# Altium PCB CherryPi.PcbDoc (part 1 of 2)
Units mil, origin at the board's own origin, x right, y up, seen from the top; angles counter-clockwise.
Board outline 3346.46 x 2204.72 mil, 4 copper layers (Top Layer, Mid-Layer 1, Mid-Layer 2, Bottom Layer), stack 49 mil thick; 110 components, 145 nets, 563 pads, 296 vias.
Unrouted connection lines stored in the file: 50.
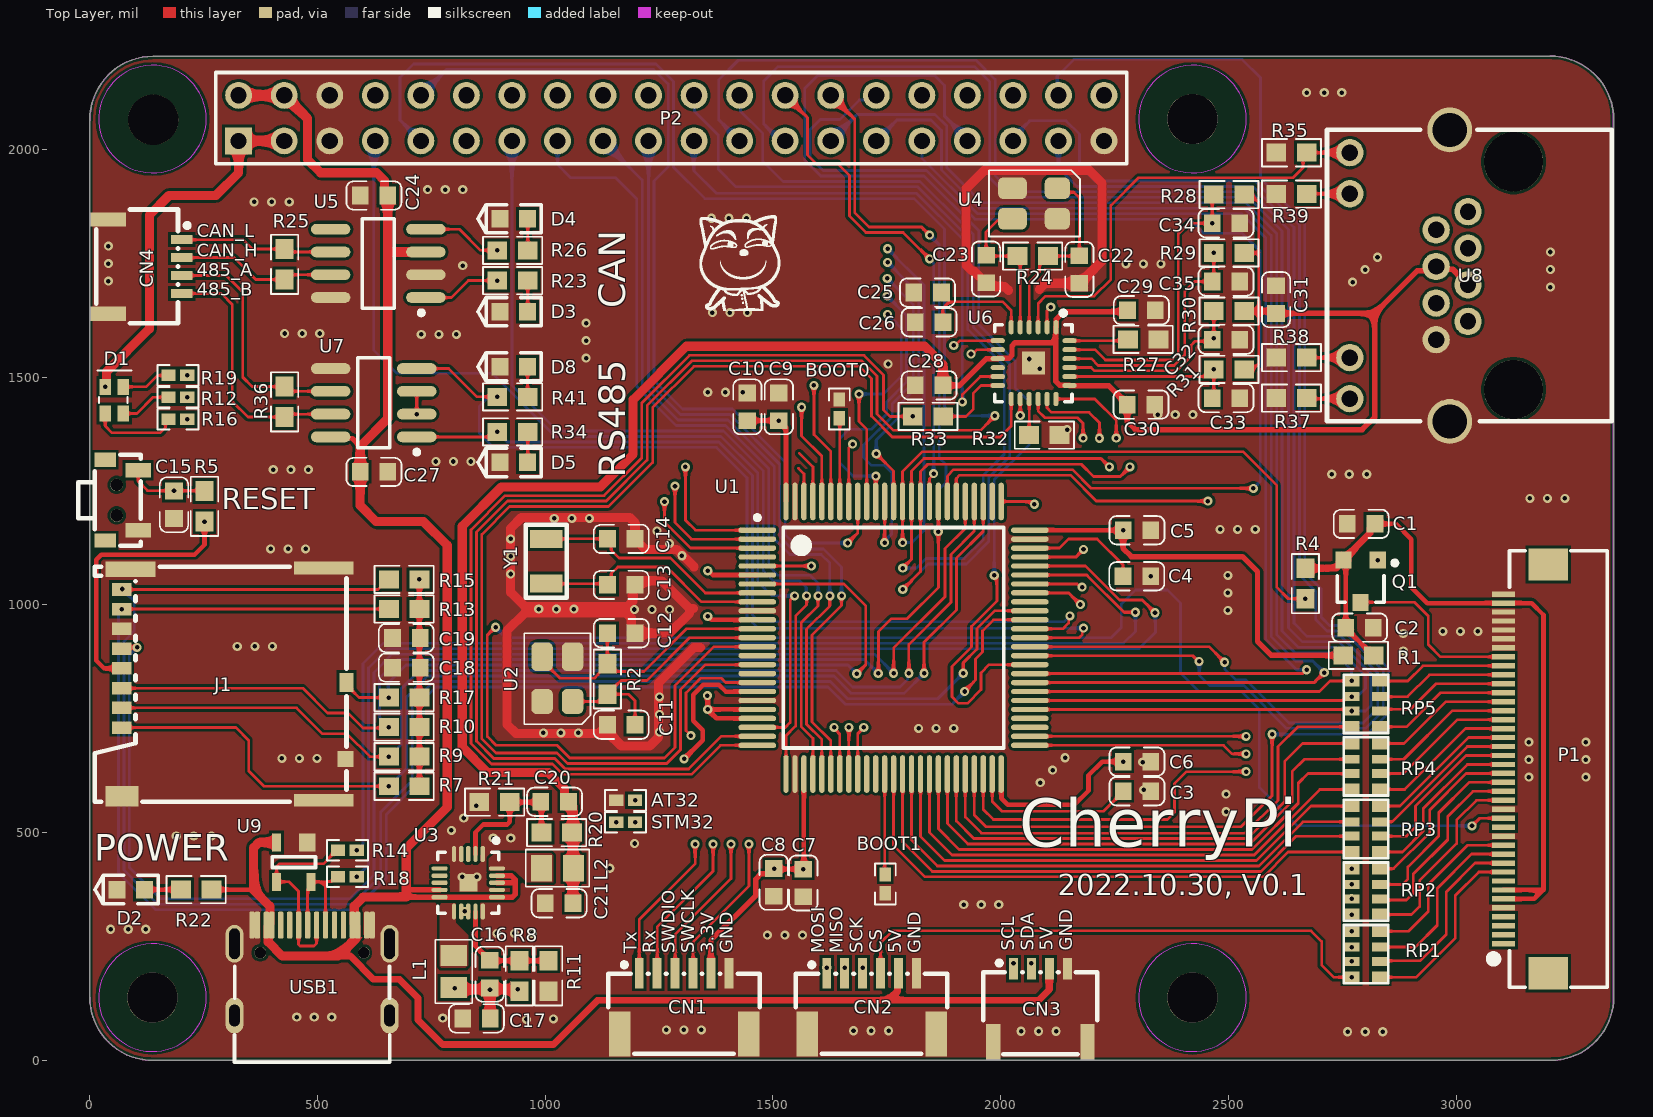
[diagram p0: Top Layer view]
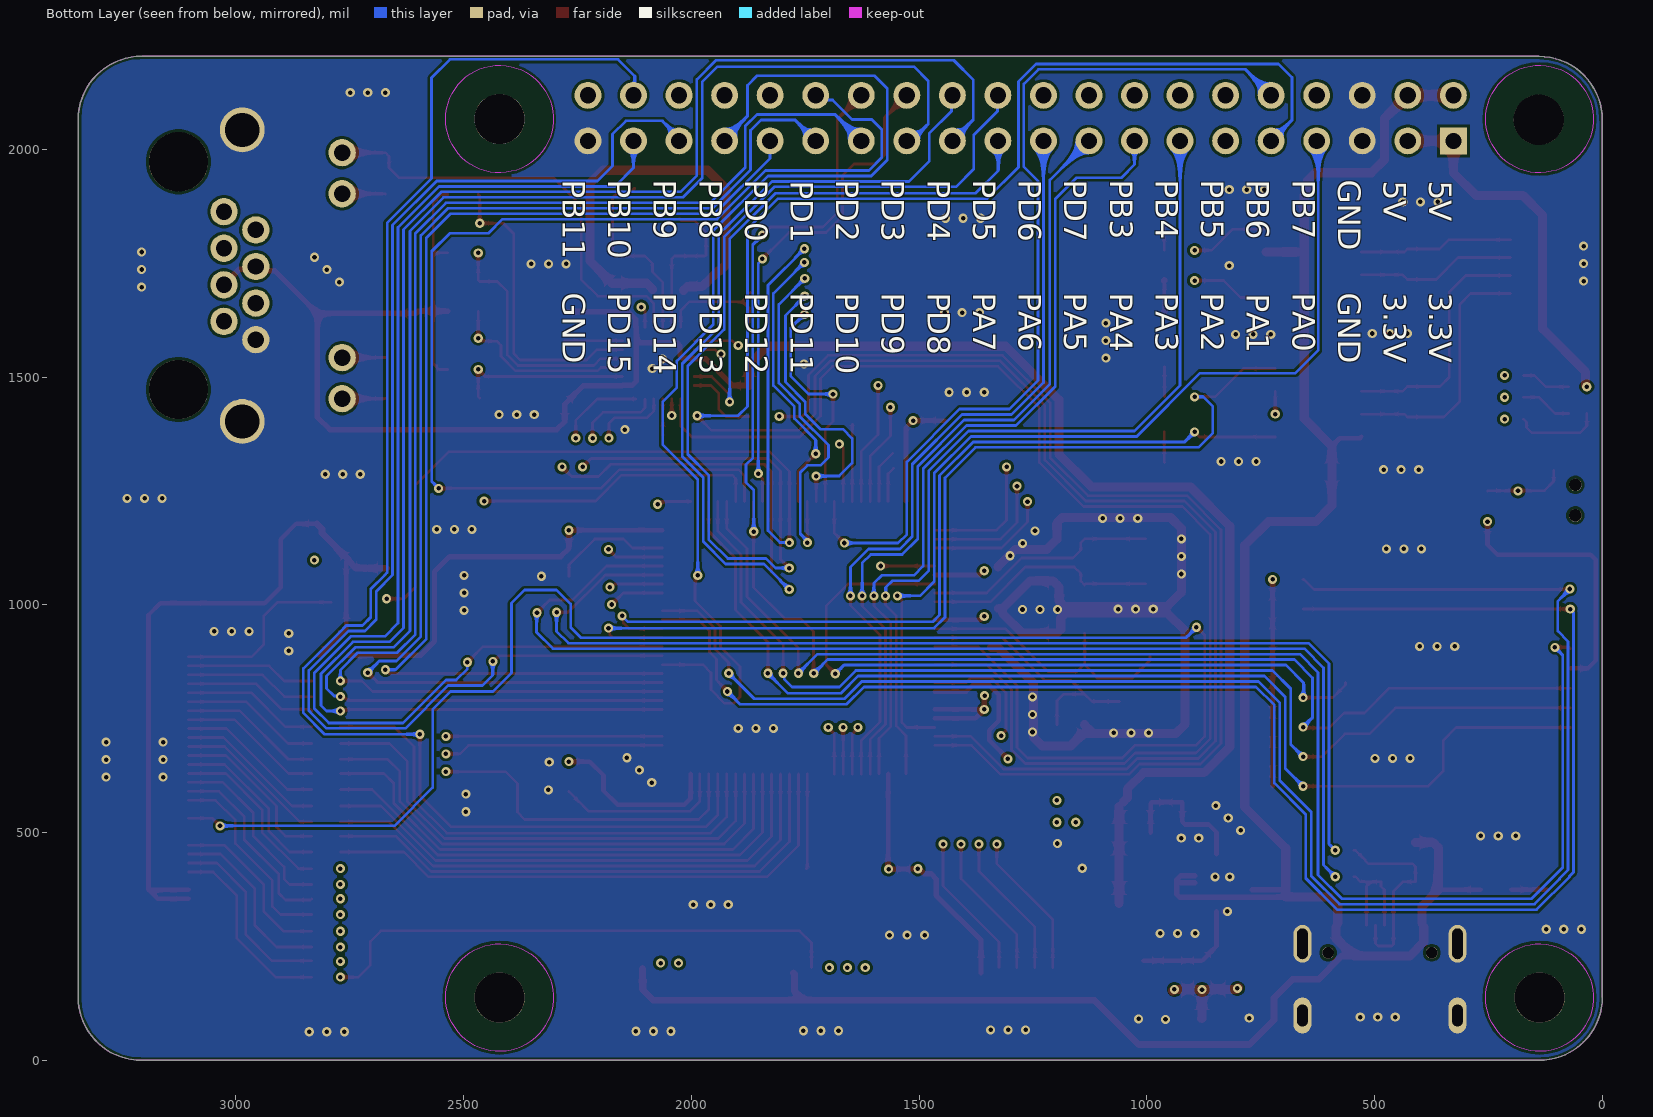
[diagram p1: Bottom Layer view, seen from below]
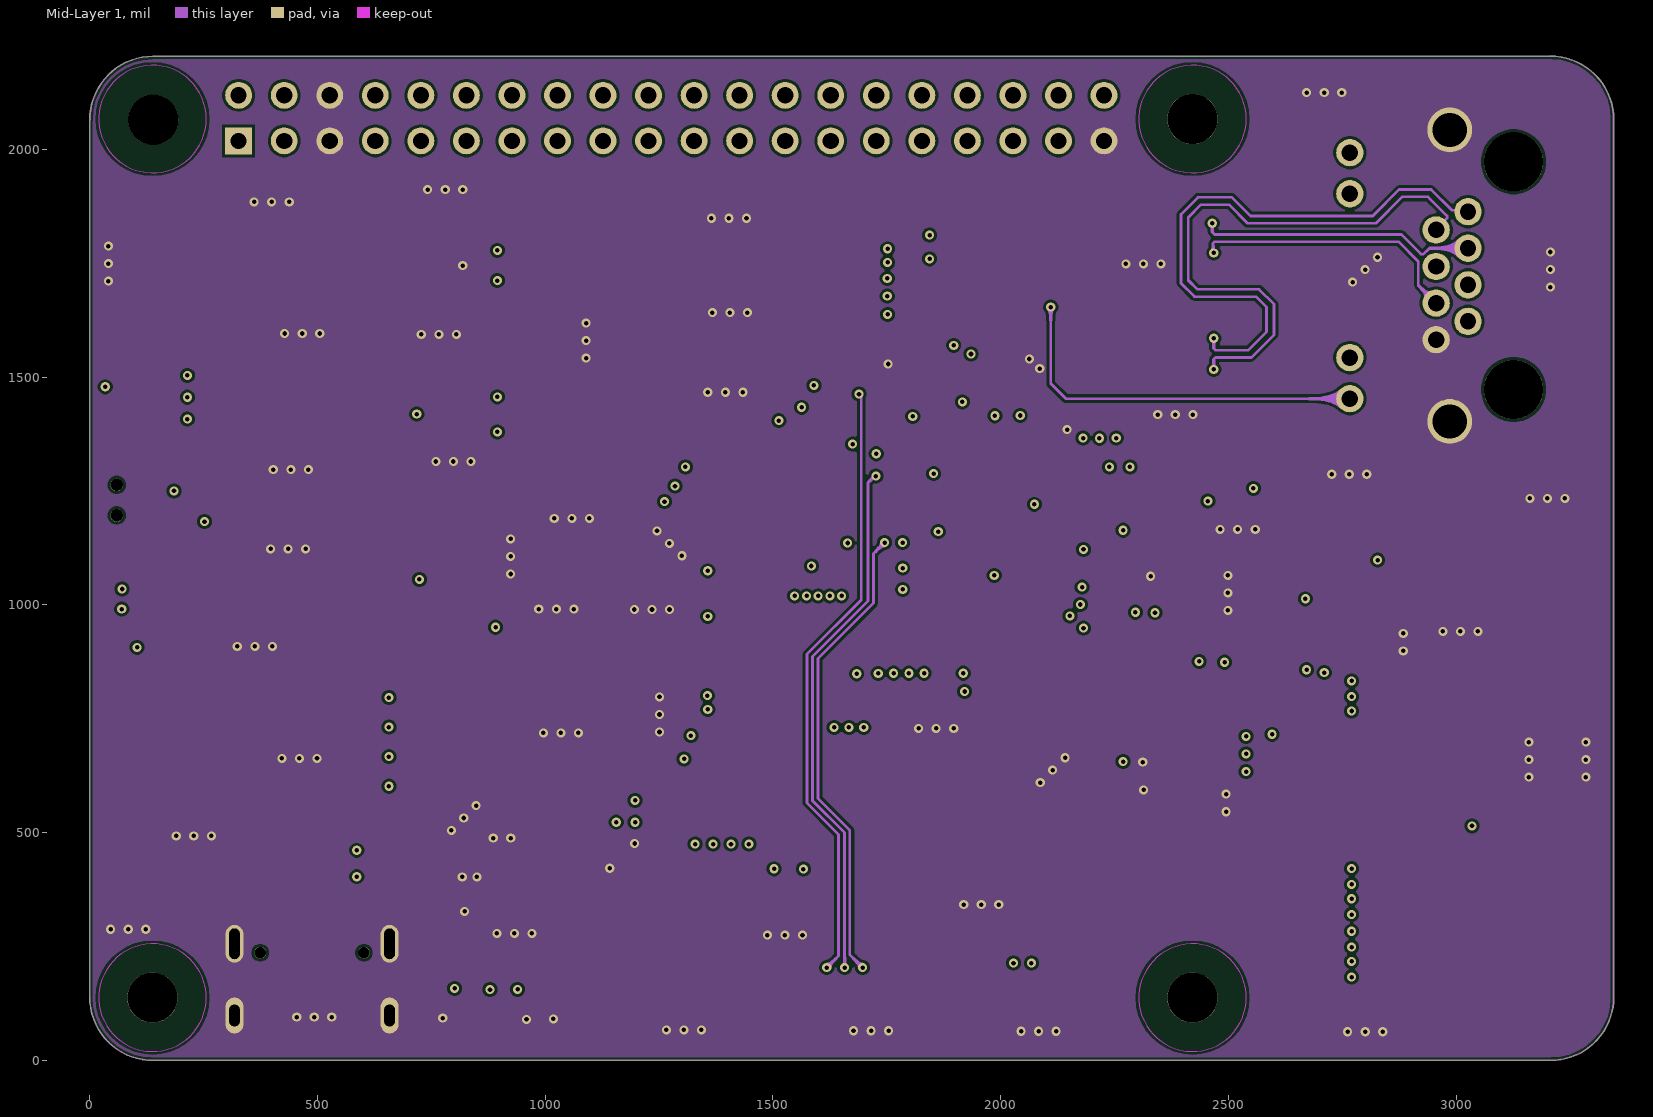
[diagram p2: Mid-Layer 1]
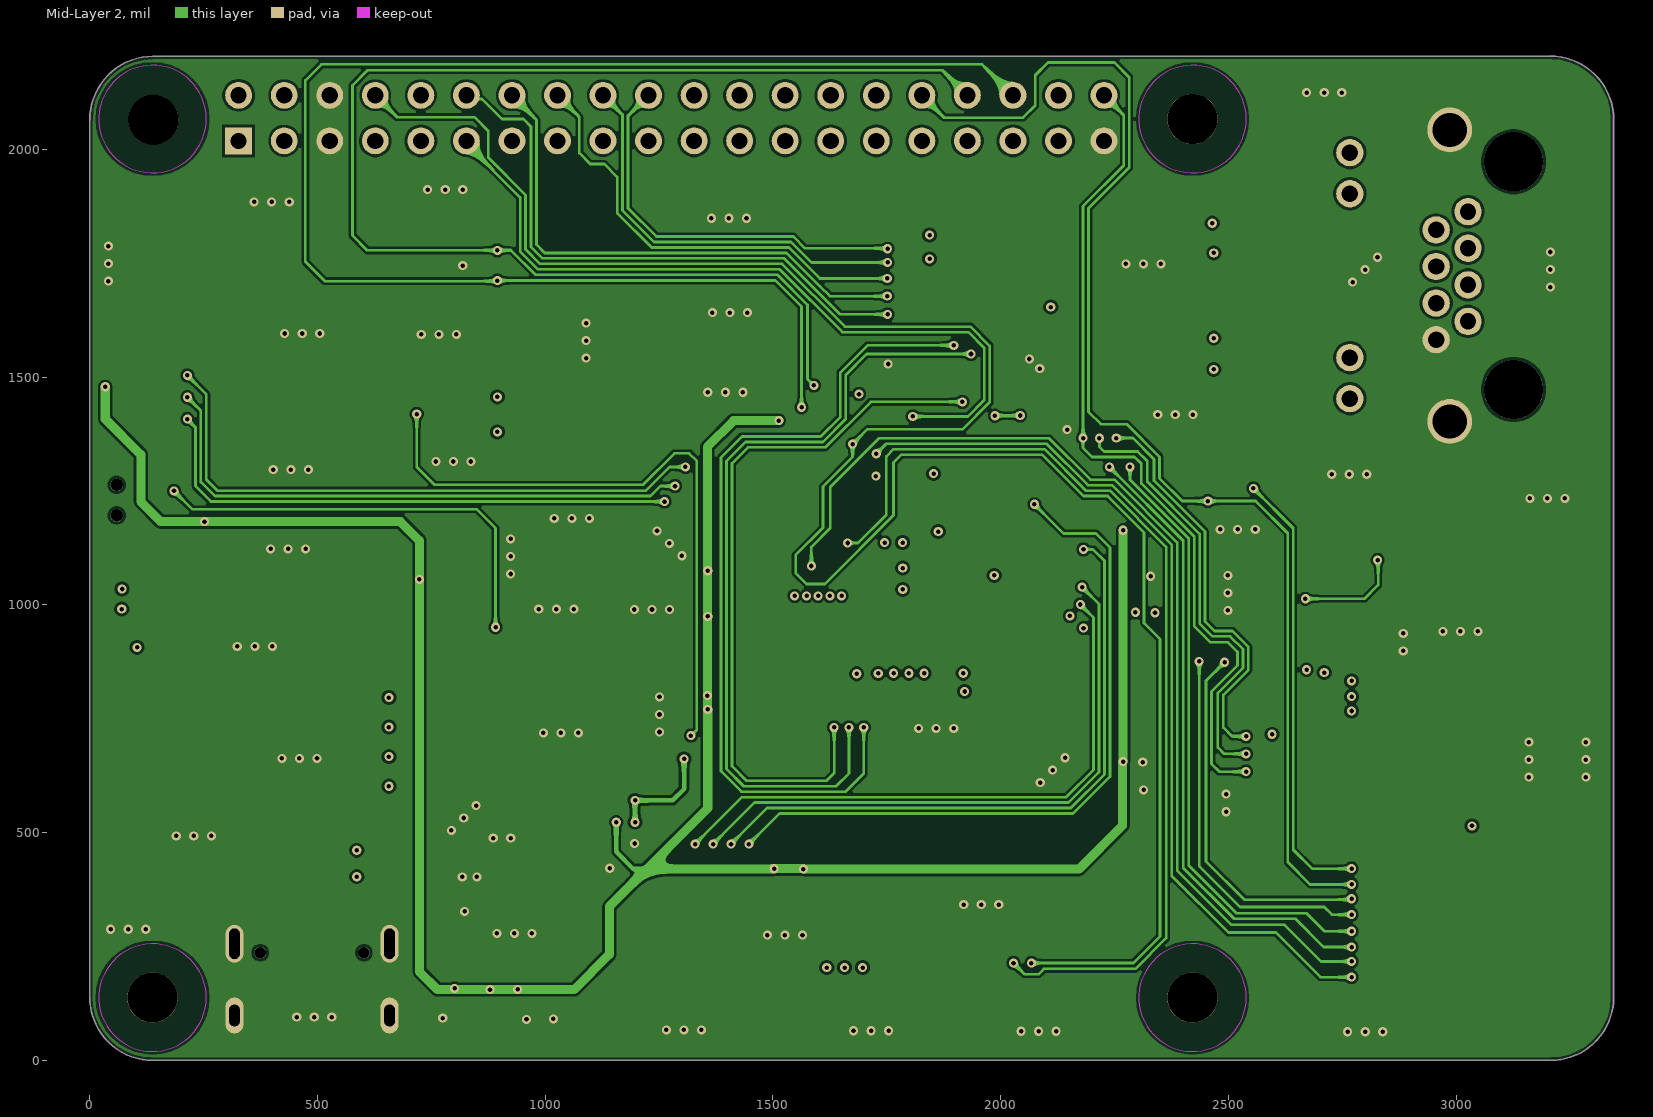
[diagram p3: Mid-Layer 2]
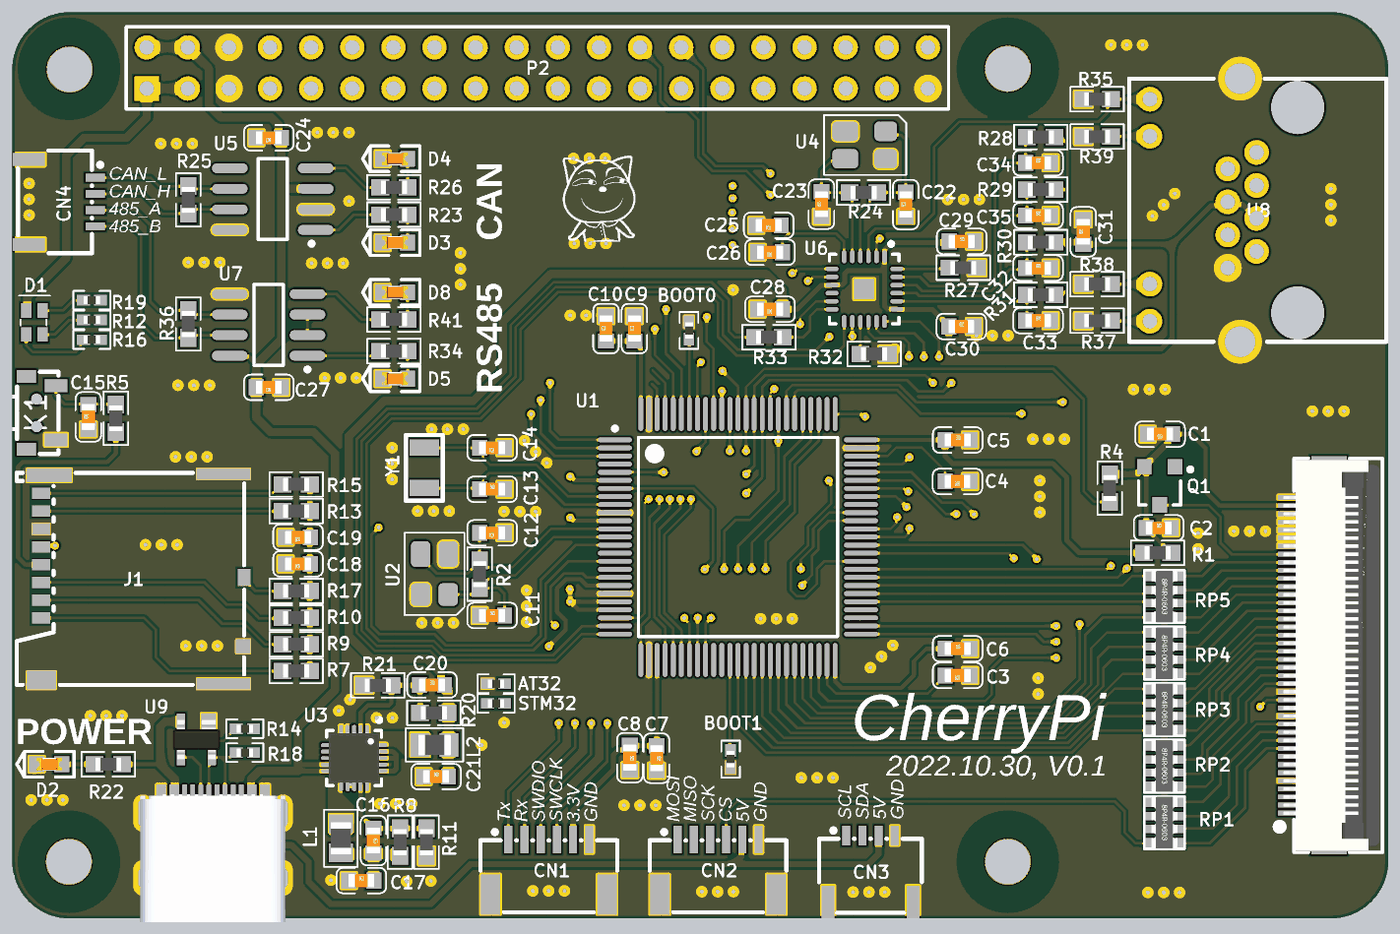
[diagram p5: 3D render of the assembled board from above, using the file's embedded part models]

## Layer stack, top to bottom
Top Solder: solder mask 0.4, Solder Resist, Dk 3.5
Top Layer: signal copper 1.4
Dielectric 1: dielectric 12.6, FR-4, Dk 4.8
Dielectric 2: prepreg 2.8, PP-006, Dk 4.1
Mid-Layer 1: signal copper 1.4
Dielectric2: dielectric 12.6, FR-4, Dk 4.8
Mid-Layer 2: signal copper 1.4
Dielectric 3: prepreg 2.8, PP-006, Dk 4.1
Dielectric3: dielectric 12.6, FR-4, Dk 4.8
Bottom Layer: signal copper 1.4
Bottom Solder: solder mask 0.4, Solder Resist, Dk 3.5

## Board outline
0,139 0,2064.72 cw(c139.5,2065.22) 139,2204.72 3206.46,2204.72 cw(c3206.96,2065.22) 3346.46,2065.72 3346.46,140 cw(c3206.96,139.5) 3207.46,0 140,0 cw(c139.5,139.5)

## Design rules (kind name [scope] priority, off if disabled: settings)
Clearance [All] p1: gap=6 ignorepadtopadclearanceinfootprint=TRUE
DiffPairsRouting [All] p1: maxlimit=10 minlimit=10 mostfreqgap=10 toplayer_minwidth=6 toplayer_maxwidth=15 toplayer_prefwidth=15 midlayer1_minwidth=6 midlayer1_maxwidth=15 midlayer1_prefwidth=15 midlayer2_minwidth=6 midlayer2_maxwidth=15 midlayer2_prefwidth=15 bottomlayer_minwidth=6 bottomlayer_maxwidth=15 bottomlayer_prefwidth=15 maxuncoupledlength=500
PlaneConnect [All] p1: planeconnectstyle=Direct reliefexpansion=20 reliefentries=4 reliefconductorwidth=10 reliefairgap=10
PolygonConnect [All] p1: connectstyle=Direct reliefconductorwidth=10 reliefentries=4 polygonreliefangle="90 Angle" airgapwidth=10
RoutingVias [All] p1: holewidth=28 width=50 viastyle="Through Hole" minholewidth=28 minwidth=50 maxholewidth=28 maxwidth=50
SolderMaskExpansion [All] p1: expansion=4 istentingtop=FALSE
Width [All] p1: maxlimit=30 minlimit=6 preferedwidth=6
28 further rules are at their usual default settings.

## Components (designator, comment, footprint, x,y, rotation, side; value= is the part's Value field where it differs from the comment)
AT32 "Res1" "0402_R - M" 1176.67,571 r180 top value=0R
BOOT0 "Res1" "0402_R - M" 1646,1430.46 r270 top value=10K
BOOT1 "Res1" "0402_R - M" 1747,387.54 r90 top value=10K
C1 "Cap" 0603_C 2791.69,1178 r180 top value=100nF
C2 "Cap" 0603_C 2788.19,950.13 r0 top value=100nF
C3 "Cap" 0603_C 2299.32,591 r180 top value=10uF
C4 "Cap" 0603_C 2299,1063 r180 top value=10uF
C5 "Cap" 0603_C 2299.32,1164 r0 top value=100nF
C6 "Cap" 0603_C 2299.32,656 r0 top value=100nF
C7 "Cap" 0603_C 1567,389.69 r270 top value=100nF
C8 "Cap" 0603_C 1502,391 r270 top value=100nF
C9 "Cap" 0603_C 1513,1435.03 r90 top value=100nF
C10 "Cap" 0603_C 1444,1435.03 r90 top
C11 "Cap" 0603_C 1167,737 r0 top value=22pF
C12 "Cap" 0603_C 1167,938 r180 top value=22pF
C13 "Cap" 0603_C 1167,1044 r0 top value=10pF
C14 "Cap" 0603_C 1167,1145 r180 top value=10pF
C15 "Cap" 0603_C 185,1220 r90 top value=100nF
C16 "Cap" 0603_C 878.31,189.31 r270 top value=220pF
C17 "Cap" 0603_C 849,92 r0 top value=10uF
C18 "Cap" 0603_C 695.03,862.52 r180 top value=100nF
C19 "Cap" 0603_C 695.03,927.38 r180 top value=100nF
C20 "Cap" 0603_C 1020.73,568 r0 top value=220pF
C21 "Cap" 0603_C 1030.69,345 r0 top value=10uF
C22 "Cap" 0603_C 2173,1736.68 r90 top value=22pF
C23 "Cap" 0603_C 1968,1737.68 r90 top value=22pF
C24 "Cap" 0603_C 624,1899 r180 top value=100nF
C25 "Cap" 0603_C 1839.69,1686 r180 top value=100nF
C26 "Cap" 0603_C 1843,1620.65 r180 top value=10uF
C27 "Cap" 0603_C 624,1292 r180 top value=100nF
C28 "Cap" 0603_C 1843,1482 r180 top value=100nF
C29 "Cap" 0603_C 2309,1647 r0 top value=100nF
C30 "Cap" 0603_C 2308.31,1440 r0 top value=100nF
C31 "Cap" 0603_C 2604.69,1670.31 r90 top value=100nF
C32 "Cap" 0603_C 2494.92,1582.21 r0 top value=10pF
C33 "Cap" 0603_C 2494.92,1454.25 r0 top value=10pF
C34 "Cap" 0603_C 2494.92,1838.12 r0 top value=10pF
C35 "Cap" 0603_C 2494.92,1710.17 r0 top value=10pF
CN1 "WAFER-SH1.0-6PWB" SH1.0_6P 1305,124.93 r0 top
CN2 "WAFER-SH1.0-6PWB" SH1.0_6P 1716.64,124.93 r0 top
CN3 "HDGC1002WR-S-4P" SH1.0_4P 2087.35,120.99 r0 top
CN4 "HDGC1002WR-S-4P" SH1.0_4P 121,1743 r270 top
D1 "LED_GRB" LED_RGB 51.72,1450 r270 top
D2 "LED0" led-0603 90,375 r0 top
D3 "LED0" led-0603 931,1644 r0 top
D4 "LED0" led-0603 931,1848 r0 top
D5 "LED0" led-0603 931,1313 r0 top
D8 "LED0" led-0603 931,1523 r0 top
J1 "SDCARD-M" TF-SMD_503398-1892 317,826 r90 top
L1 "Inductor" 0805_L 799.31,195 r270 top value=1.5uH
L2 "Inductor" 0805_L 1027,422 r0 top value=1.5uH
P1 "Header 40" "FPC0.5 2H-WS-40P" 3202.31,639.95 r90 top
P2 "Header 20X2" HDR20X2_2.54 327,2019 r0 top
Q1 "MOSFET-P" SOT-23 2790.5,1052.13 r180 top
R1 "Res1" 0603_R 2785.54,889.31 r180 top value=0R
R2 "Res1" 0603_R 1136.57,837.46 r90 top value=1M
R4 "Res1" 0603_R 2669,1047 r270 top value=10K
R5 "Res1" 0603_R 252,1216.54 r90 top value=10K
R7 "Res1" 0603_R 690.46,601.97 r180 top value=47K
R8 "Res1" 0603_R 943.31,185.54 r270 top value=68K
R9 "Res1" 0603_R 690.46,666.83 r180 top value=47K
R10 "Res1" 0603_R 690.46,731.69 r180 top value=47K
R11 "Res1" 0603_R 1007.31,185.54 r90 top value=15K
R12 "Res1" "0402_R - M" 193.67,1456 r180 top value=1.5K
R13 "Res1" 0603_R 690.46,991.14 r180 top value=47K
R14 "" "0402_R - M" 565.67,461.32 r0 top value=22R
R15 "Res1" 0603_R 690.46,1056 r180 top value=47K
R16 "Res1" "0402_R - M" 193.67,1408 r180 top value=1.5K
R17 "Res1" 0603_R 690.46,796.55 r180 top value=10K
R18 "" "0402_R - M" 565.67,403.31 r0 top value=22R
R19 "Res1" "0402_R - M" 193.67,1504 r180 top value=1.5K
R20 "Res1" 0603_R 1025.3,500 r0 top value=68K
R21 "Res1" 0603_R 888.85,567 r0 top value=15K
R22 "Res1" 0603_R 233.7,375 r0 top value=10K
R23 "" 0603_R 928.4,1712.26 r180 top value=10K
R24 "Res1" 0603_R 2070.54,1766 r180 top value=1M
R25 "Res1" 0603_R 428,1748 r90 top value=NC
R26 "" 0603_R 928.4,1778.6 r180 top value=10K
R27 "" 0603_R 2313,1583 r180 top value=12.1K
R28 "" 0603_R 2501.54,1901 r180 top value=49.9R
R29 "" 0603_R 2501.54,1773.04 r180 top value=49.9R
R30 "" 0603_R 2501.54,1645.09 r180 top value=49.9R
R31 "" 0603_R 2501.54,1517.13 r180 top value=49.9R
R32 "" 0603_R 2096,1373 r180 top value=10K
R33 "" 0603_R 1840.54,1414 r180 top value=510R
R34 "" 0603_R 928.4,1380 r180 top value=10K
R35 "" 0603_R 2638.58,1993 r0 top value=10K
R36 "" 0603_R 428,1446 r270 top value=120
R37 "" 0603_R 2638.58,1454 r180 top value=10K
R38 "" 0603_R 2638.58,1543 r180 top value=510R
R39 "" 0603_R 2638.58,1902 r0 top value=510R
R41 "" 0603_R 928.4,1457 r180 top value=10K
RESET "TACT 2P" SW-SMD_2*4 58,1230 r90 top value=3x4 (schematic designator K1)
RP1 "33R" 0603_R(2x4) 2803.13,233.13 r180 top
RP2 "33R" 0603_R(2x4) 2803.13,370.56 r180 top
RP3 "33R" 0603_R(2x4) 2803.13,508 r180 top
RP4 "33R" 0603_R(2x4) 2803.13,645.44 r180 top
RP5 "33R" 0603_R(2x4) 2803.13,782.87 r180 top
STM32 "Res1" "0402_R - M" 1176.67,523 r180 top value=0R
U1 "STM32F407V" LQFP-100_M 1765,928 r0 top
U2 "OSC" SMD_3225_4P 1060.17,788 r90 top
U3 "EA3036QDR" QFN-20 831.31,390 r270 top
U4 "OSC" SMD_3225_4P 2124.43,1914.93 r180 top
U5 "SIT1042T" NSO8_N 633.49,1750 r180 top
U6 "LAN8720A" QFN-24 2072.5,1531 r180 top
U7 "MAX3485" SOIC8_N 623.49,1444 r180 top
U8 "RJ45" RJ45 2896.57,1723 r90 top
U9 "SP0503BAHTG" SOT_143 448,435.32 r90 top
USB1 "TYPE-C-16PIN" Type-C-16Pin 488.16,197.79 r270 top
Y1 "XTAL" SMD-3215 1002.2,1096 r90 top value=32.768K
